# KiCad board mixed_signal_board.kicad_pcb (continued)
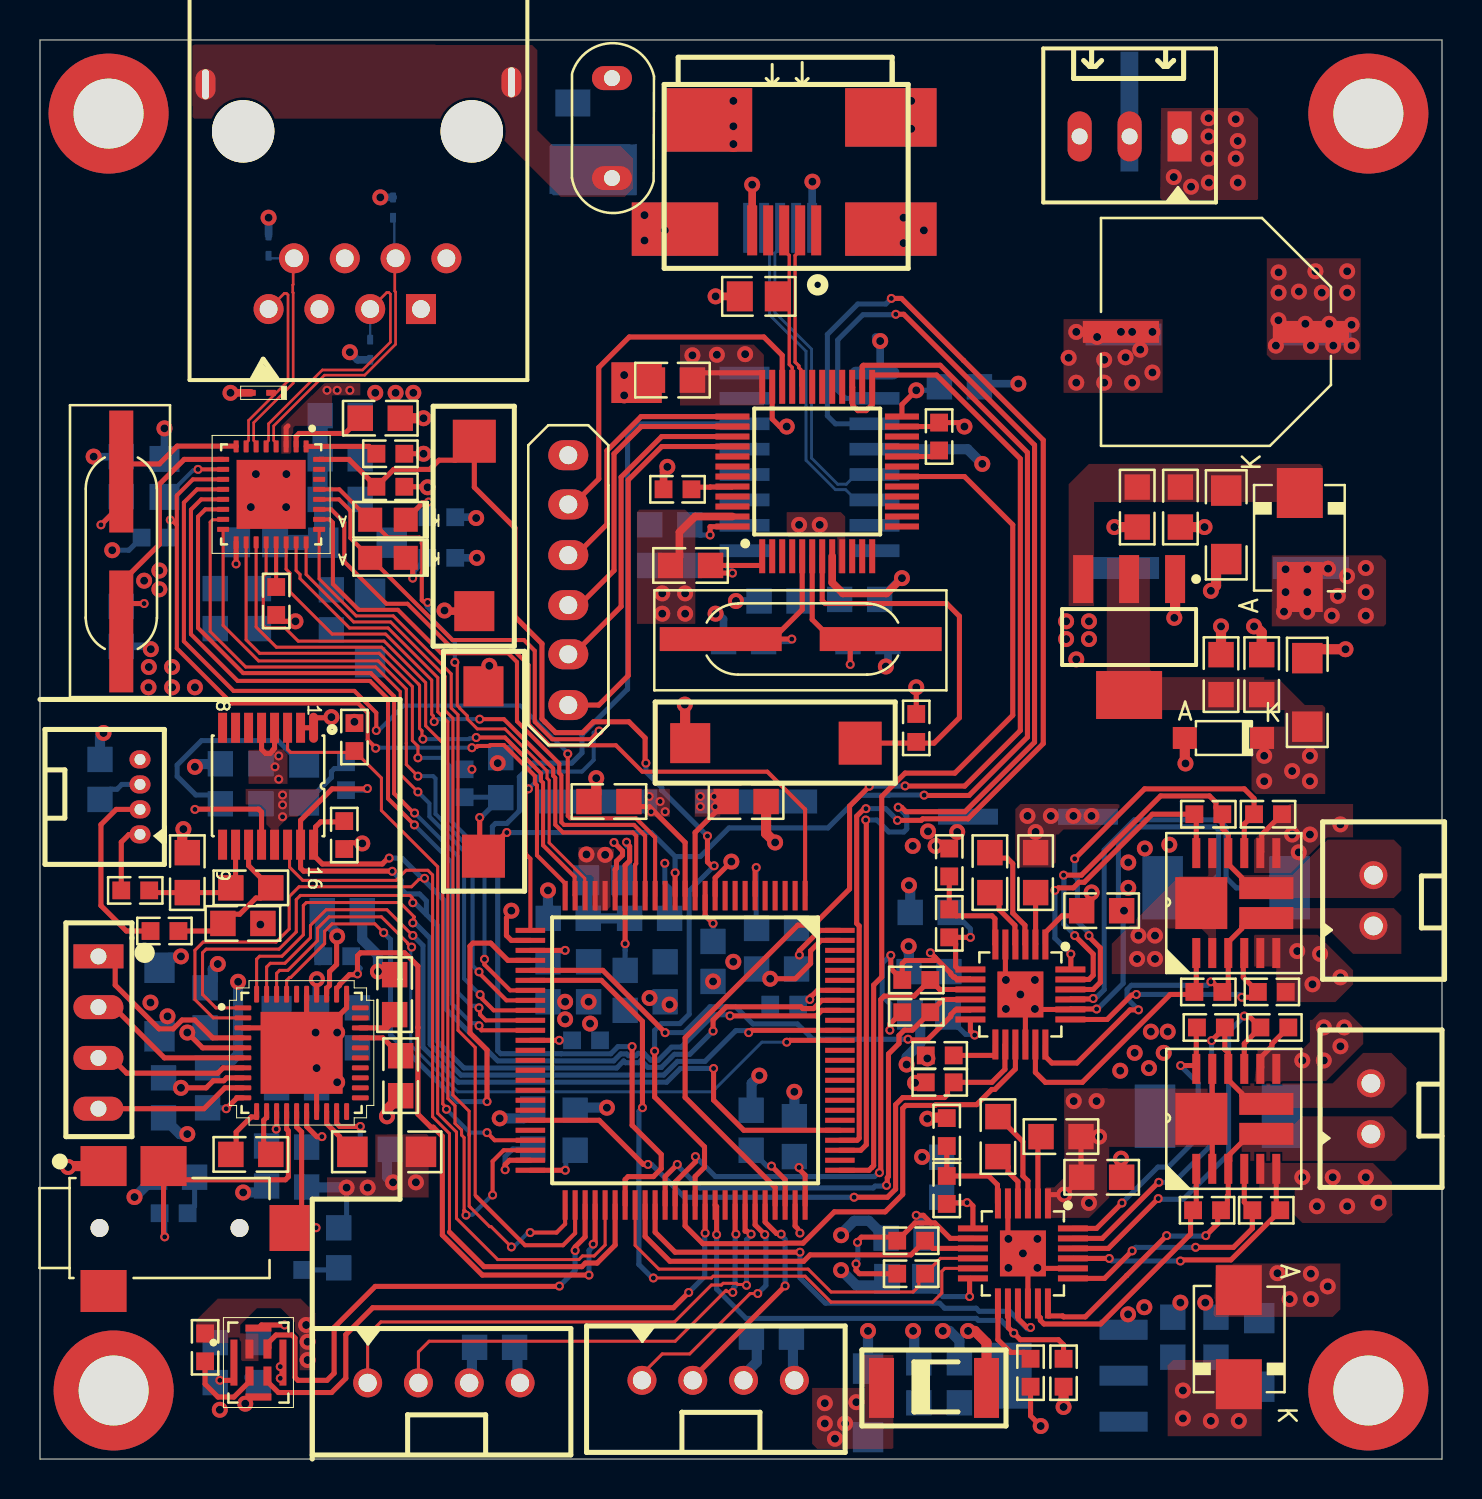
[diagram p0: board, top side]
## Nets (continued)
RX_D2: U2.14 U8.35
RX_D3: U2.13 U8.36
RX_DV: U2.18 U8.32
RX_ER: U2.20 U8.47
SCL: R25.1 U5.16 U6.2 U8.92
SCLK: U6.38 U8.89
SDA: R26.1 U5.15 U6.1 U8.93
SDIN: U6.39 U8.80
SH1: J4.1 Q1.3 Q1.13 R15.2 U3.18
SH1_2: J10.1 Q2.3 Q2.13 R39.2 U9.18
SH2: J4.2 Q1.10 Q1.14 R16.1 U3.23
SH2_2: J10.2 Q2.10 Q2.14 R40.1 U9.23
SNSOUT: R23.1 U3.10 U8.61
SNSOUT_2: R46.1 U8.58 U9.10
SO: U3.11 U8.30
SO_2: U8.31 U9.11
SP: Q1.5 Q1.6 Q1.7 Q1.8 R17.2 R18.2 R19.2 U3.21
SP_2: Q2.5 Q2.6 Q2.7 Q2.8 R41.2 R42.2 R43.2 U9.21
TD_N: D2.K J3.2 U2.6
TD_P: D1.K J3.1 U2.7
TX_CLK: U2.22 U8.18
TX_D0: U2.24 U8.51
TX_D1: U2.25 U8.52
TX_D2: U2.26 U8.17
TX_D3: U2.27 U8.1
TX_EN: U2.23 U8.48
USBD_N: J1.2 U1.32
USBD_P: J1.3 R3.1 U1.33

Pads without a net: J1 1 4; J3 3 4 7 8; J5 1 4; J7 4; MH2 1; MH3 1; U1 2 3 4 10 11 12 13 14 15 16 17 19 21 22 28 29 30 31 41 42 43 45 46; U2 30 31; U4 7 8 9 10 11 12 13 15; U5 6 7 8 9; U6 20 21 22 23 24 25 26 29 30 36; U8 2 3 4 5 7 8 9 15 38 39 40 41 42 43 44 46 67 77 81 82 83 84 85 86 87 88 91 95 96 97 98

## Via types
v1: diameter 0.45, hole 0.25, Top Layer to Bottom Layer, 178 vias
v2: diameter 0.8, hole 0.4, Top Layer to Bottom Layer, 287 vias

## Routing (per net, layer and track width the routed paths; a pad name or vN(x,y) marks a point on that pad's centre or on a via; arc(x,y) is an arc through that point)
+1V8: length 2.3
  Top Layer w0.254: v2(13.84,24) 13.83,23.99 U6.34
  Bottom Layer w0.254: v2(13.84,24) 13.76,23.92 13.76,22.64 C37.2
  vias: v2(39.24,2.79) v2(39.24,1.78) v2(39.75,1.02) v2(40.26,1.78) v2(40.82,2.84)
+3V3: length 88.1
  Top Layer w0.254: U8.28 v1(26.26,25.45) ; R5.2 19.35,48.64 v2(19.38,48.62) ; v1(29.33,30.86) 29.33,30.81 29.48,30.65 29.48,29.93 29.26,29.7 v1(29.26,25.78) ; v1(33.51,46.23) 33.51,46.64 33.51,46.65 34.62,46.65 U1.48 ; v2(7.37,21.34) 8.13,20.57 U6.5 ; U8.6 35.76,29.48 35.81,29.54 v1(35.81,29.59) ; v1(37.95,14.59) 37.95,14.51 38.26,14.2 U8.75 ; R2.2 v2(43.81,38.61) ; U8.11 33.26,27.19 v1(33.66,26.8) ; R25.2 15.53,30.83 16.08,30.83 v2(16.11,30.8) ; U6.8 9.33,19.07 9.19,18.92 8.66,18.92 8.31,18.57 v2(7.05,18.57) ; C4.2 32.99,54.34 36.09,54.34 36.11,54.32 U1.36 ; U8.100 38.99,26.45 37.97,25.43 v1(37.97,25.22) ; 15.06,26.35 14.83,26.12 14.83,24.74 14.48,24.38 14.48,23.69 14.33,23.55 U6.33 ; v2(50.04,1.65) 49.53,2.16 R45.1 ; U8.50 v1(26.27,14.45) ; v1(34.62,44.32) 33.91,44.32 C3.2 36.09,44.7 36.11,44.73 U1.1 ; R9.2 v2(19.18,50.29) ; v1(9.8,44.78) 9.81,44.78 U2.17 ; v2(43.81,53.47) 43.1,52.75 U1.24 ; R8.2 12.13,41.91 v2(12.77,41.91) 12.81,41.88
  Top Layer w0.381: v2(33.78,58.17) R3.2
  Bottom Layer w0.254: v2(7.05,18.57) 6.68,18.57 C44.2 ; C63.2 29.26,25.45 v1(29.26,25.78) ; C9.2 44.97,53.48 44.96,53.47 v2(43.81,53.47) ; v1(35.81,29.59) 35.81,27.05 35.83,27.05 C71.2 ; v1(33.51,46.23) 33,46.23 C1.2 ; FB2.1 13.31,32.83 14.57,34.1 14.57,34.4 14.72,34.54 14.99,34.54 R26.2 ; v1(37.97,25.22) 37.97,24.65 C59.2 ; C31.2 3.51,33.51 3.85,33.51 4.09,33.75 J6.3 ; C60.2 37.95,14.89 v1(37.95,14.59) ; FB4.1 29.48,29.23 29.48,30.55 29.33,30.7 v1(29.33,30.86) ; C62.2 25.46,24.88 25.53,24.95 25.53,25 25.91,25.38 25.96,25.38 25.98,25.4 26.21,25.4 v1(26.26,25.45) ; C4.2 32.98,54.33 U4.16 ; v1(26.27,14.45) 26.29,14.47 26.29,14.98 C61.2 ; C2.2 34.29,44.7 34.62,44.37 v1(34.62,44.32) ; C64.2 v1(33.66,26.8) ; R10.1 4.44,45.47 v2(3.61,45.47)
  Bottom Layer w0.508: J9.3 35.18,4.19 35.84,4.85 35.84,5.83 C55.2 ; 14.11,27.05 14.86,26.3 v2(14.86,26.14) ; J8.3 21.6,3.94 21.6,5.45 C54.2 ; 13.99,26.67 13.99,25.27 13.97,25.26 13.97,24.96 ; U4.4 46.38,50.52 v2(47.12,49.78)
  vias: v1(12.13,33.22) v1(12.13,32.73) v1(12.13,32.13) v1(21.6,34.51) v2(5.21,43.94) v2(5.52,22.83) v2(5.97,44.45) v2(5.97,43.51) v2(6.38,22.15) v2(13.31,6.71) v2(13.38,5.87) v2(13.38,4.95) v2(15.72,36.88) v2(32.62,55.22) v2(33.85,55.25) v2(35.26,55.27) v2(37.96,46.74) v2(38.99,46.74) v2(44.37,20.04) v2(61.21,35.18) v2(61.21,33.91) v2(62.61,34.42) v2(63.5,35.18) v2(63.5,33.91)
+12V: length 14
  Top Layer w0.254: Q2.2 58.62,16.47 Q2.15 58.62,17.57 Q2.11 ; C73.2 52.05,14.13 C75.2 v2(51.22,13.23) 50.42,13.23 50.42,13.23 50.42,12.95 50.4,12.93 U9.1 ; U3.1 50.27,26.34 51.11,27.18 51.83,27.18 52.58,27.93 v2(52.58,28.34)
  vias: v2(49.38,32.17) v2(49.78,31.37) v2(50.55,32.17) v2(51.67,32.17) v2(51.69,17.91) v2(52.45,12.81) v2(52.58,32.17) v2(52.83,17.91) v2(52.96,16.13) v2(54.86,25.02) v2(54.93,26.19) v2(55.75,26.19) v2(55.75,25.02) v2(56.69,64.14) v2(57.56,63.65) v2(58.43,67.08) v2(58.43,66.17) v2(58.43,65.06) v2(58.45,63.86) v2(59.79,67.03) v2(59.79,65.06) v2(59.89,65.94) v2(59.89,63.86) v2(61.8,55.7) v2(61.87,9.3) v2(61.93,59.37) v2(61.93,58.35) v2(61.93,56.97) v2(62.28,44.51) v2(62.28,43.37) v2(62.2,42.39) v2(62.48,8) v2(62.95,58.41) v2(63.27,56.79) v2(63.37,44.51) v2(63.37,43.37) v2(63.37,42.39) v2(63.55,55.7) v2(63.55,9.27) v2(63.55,8) v2(63.77,59.42) v2(64.09,58.35) v2(64.39,8.64) v2(64.47,56.79) v2(64.41,44.54) v2(64.59,42.19) v2(64.67,55.7) v2(64.9,43.18) v2(65.36,59.42) v2(65.36,58.35) v2(65.35,44.17) v2(65.58,56.74) v2(65.58,55.7) v2(66.29,44.58) v2(66.29,43.37) v2(66.29,42.19)
DVDD: length 13.1
  Top Layer w0.254: v1(42.49,21.46) 42.49,21.76 42.92,22.18 42.94,22.17 ; U3.8 46.5,24.01 45.83,24.01 45.73,24.11 45.68,24.11 45.54,24.25 45.54,24.3 44.75,25.1 ; v1(44.52,25.33) 44.75,25.1 ; 44.75,25.1 44.75,24.94 43.27,24.94 43.12,24.79 R24.2 42.54,24.54 v1(42.54,25.2)
  Bottom Layer w0.254: v1(42.49,21.46) 42.49,22.78 42.11,23.16 42.11,24.79 42.52,25.2 v1(42.54,25.2) ; v1(44.52,25.33) 44.52,25.31 C27.2
DVDD_2: length 12.3
  Top Layer w0.254: 40.84,10.82 40.84,10.87 41.07,11.1 42.68,11.1 R47.2 ; 44.55,11.81 44.74,11.81 45.52,11.04 U9.8 ; 44.55,11.81 44.17,12.19 v1(43.81,12.19) ; 44.55,11.81 43.75,11.81 42.99,11.05 ; v1(40.8,9.76) 40.8,9.44 40.97,9.27 R46.2
  Bottom Layer w0.254: v1(40.8,9.76) 40.8,9.89 40.89,9.98 40.89,10.82 v1(40.88,10.84) ; C77.2 44.09,11.27 44.09,11.92 v1(43.81,12.19)
GND: length 205
  Top Layer w0.254: U9.16 49.4,10.04 ; 49.4,10.04 v2(49.15,10.29) 48.9,10.54 48.42,10.54 ; 49.4,10.04 v2(49.87,9.56) 49.9,9.54 U9.20 ; U6.17 13.83,19.57 U6.41 15.33,22.57 U6.31 ; v2(48.42,11.01) 48.4,11.04 U9.5 ; v1(12.23,6.71) 11.08,6.71 U7.5 ; v2(46.22,51.65) 46.22,51.7 46.08,51.85 R4.1 44.76,51.65 U1.23 ; v1(8.99,3.94) 9.65,3.94 9.7,3.99 U7.5 ; U5.4 11.73,35.56 11.65,35.48 11.65,35.44 11.5,35.29 11.29,35.29 11.08,35.5 U5.5 ; U8.10 33.76,29.08 v2(34.57,29.89) ; 14.6,37.08 13.77,37.08 13.68,36.99 U5.1 U5.2 ; 23.51,27.43 23.51,27.26 23.32,27.07 23.32,26.19 23.57,25.95 U8.27 ; 49.27,22.99 v2(49.02,23.24) v2(48.3,23.97) 48.27,23.99 U3.5 ; 49.27,22.99 v2(49.75,22.52) 49.77,22.49 U3.20 51.55,22.52 52.83,22.52 v1(52.83,22.51) ; 49.27,22.99 U3.16 ; U8.20 28.76,29.49 28.82,29.56 28.82,29.91 29.13,30.21 29.13,30.42 v1(28.7,30.84) ; U6.3 11.83,21.57 ; v2(37.34,51.65) 36.99,51.65 36.61,52.03 U1.35 ; 13.33,21.34 U6.35 ; 37.88,11.54 37.76,11.66 U8.74 ; v2(36.51,24.03) 37.77,24.03 38.53,24.79 38.53,25.43 39.05,25.95 U8.99
  Top Layer w0.381: J1.5 v2(35.61,63.75) ; SW2.1 20.26,42.42 20.19,42.48 ; U1.47 32.76,47.15 31.97,46.37 31.97,45.15 C3.1 ; v2(43.1,44.07) 42.34,43.31 40.15,43.31 39.61,43.84 U1.8 ; R1.1 31.18,49.45 v2(31.37,49.64) ; v2(9.53,53.34) D1.A
  Top Layer w0.508: SW1.1 32.26,36.07 32.26,37.72 ; C78.1 v2(59.06,41.66) ; C79.1 61.09,41.36 60.79,41.66 v2(60.71,41.66) ; 54.1,15.11 54.02,15.03 54.02,14.17 C75.1 ; v2(44.37,17.03) 44.43,17.08 45.21,17.08 45.34,17.21 ; v2(36.76,30.84) 36.31,31.3 C56.2 ; v2(27.81,34.06) 27.81,33.26 C58.2 ; R22.1 44.28,18.83 43.77,18.83 v2(43.75,18.82) ; 1.4,14.66 J7.1 ; C10.1 v2(19.18,52.07) ; D8.A 47.33,5.82 46.74,6.41 v2(46.41,6.41) ; SW3.1 22.47,38.95 v2(22.47,39.68) ; C83.1 63.81,40.51 65.15,40.51 ; 51.18,2.54 R48.1 ; v2(17.35,17.15) 17.35,17.49 C48.2 ; v2(16.9,24.39) 16.95,24.33 17.96,24.33 18.03,24.26 ; v2(53.72,46.63) C86.1 ; U10.1 56.76,42.05 56.77,42.04 ; v2(58.55,43.43) 58.81,43.69 58.81,44.51 C84.1 ; 11.83,21.57 U6.41 ; 7.11,31.5 7.11,30.59 C33.1 ; D6.A 57.24,34.99 57.28,34.96 57.28,34.92 ; C85.1 v2(58.23,46.63)
  Bottom Layer w0.254: C14.1 16,52.2 15.88,52.32 ; R19.1 58.29,28.58 58.93,29.21 58.93,31.47 58.78,31.62 54.86,31.62 53.93,30.69 53.93,27.43 ; 35.59,17.42 35.56,17.45 C65.1 ; C35.2 15.33,11.96 v2(15.33,13.58) ; C68.1 31.48,28.56 31.24,28.8 v1(31.24,29.81) ; v1(52.83,22.51) 52.84,22.52 52.89,22.52 54.16,23.79 54.16,27.39 v2(54.2,27.43)
  Bottom Layer w0.381: R7.1 21.84,47.12 ; R6.1 v2(21.84,45.09) ; 42.29,39.62 42.4,39.73 C6.1 ; D3.A 15.88,54.99 v2(15.49,55.37) ; v2(48.92,53.8) 47.13,53.8 C9.1 ; 5.54,40.51 5.4,40.66 C20.1 ; R11.1 v2(6.22,51.56) ; D2.A v2(11.43,62.1) ; C8.1 43.05,44.07 v2(43.1,44.07) ; 41.78,56.13 41.99,55.93 v2(42.01,55.93) 42.01,54.61 U4.1 ; v2(17.02,63.12) 17.65,63.12 D4.A ; v2(34.8,42.93) C7.1 ; C15.1 v2(2.68,50.15) 2.67,50.17 ; v2(33.78,42.29) 33.91,42.29 34.18,42.02 C5.1 ; 38.61,63.88 38.61,63.88 J5.5
  Bottom Layer w0.508: v2(7.37,16.26) 6.99,16.26 C44.1 ; C51.2 17.35,15.33 17.35,14.1 ; v2(9.91,23.88) 9.91,20.25 9.61,19.95 8.76,19.95 C43.1 ; J8.4 23.87,3.95 23.87,5.45 C54.1 ; v2(7.75,34.63) 7.89,34.77 9,34.77 C30.1 ; 13.33,13.58 13.34,13.58 ; 13.34,13.58 C40.1 ; 13.34,13.58 13.34,13.59 15.32,13.59 v2(15.33,13.58) ; C55.1 37.65,6.02 37.65,4.52 ; C87.1 45.97,5.92 45.48,6.41 v2(45.15,6.41) ; 40.06,11.27 40.71,11.92 41.44,11.92 C77.1 ; C47.1 16.11,25.99 16.9,25.21 v2(16.9,24.39) ; v2(28.35,17.58) 27.14,17.58 27.1,17.54 27.1,17.48 27.07,17.45 C61.1 26.69,17.51 ; C60.1 v2(37.72,18.37) ; C45.1 6.48,25.08 6.92,25.08 6.98,25.15 v2(7.05,25.15) ; 37.72,4.52 37.72,4.08 37.65,4.01 J9.4 ; v2(43.66,6.41) 43.71,6.35 43.71,5.04 C88.1 ; C39.2 4.84,13.21 4.83,13.21 v2(4.72,13.11) ; v2(22.99,17.04) 24.17,17.04 C66.1 ; v2(44.11,15.11) 44.12,15.1 45.08,15.1 C76.1 ; R20.1 43.5,22.13 44.01,21.61 44.01,20.79 43.33,20.11 v2(43.33,19.74) ; v2(3.17,36.32) 3,36.15 C31.1 ; v2(25.4,28.45) 25.4,27.07 C67.1 ; C41.1 11.33,13.58 11.09,13.34 v2(10.16,13.34) ; C89.1 41.4,4.53 v2(41.4,6.41) ; v2(43.45,28.7) 43.51,28.64 C26.1 ; v2(35.97,19.18) 35.59,18.8 35.59,17.42 ; v2(43.43,25.65) 43.43,25.33 43.45,25.31 C27.1 ; R44.1 42.03,8.69 40.82,8.69 v2(40.06,9.45) ; 10.46,4.09 10.66,4.09 C53.1 ; C46.1 8.64,23.95 8.64,24.51 v2(8.89,24.77)
  vias: v1(11.75,34.63) v1(11.94,35.18) v1(11.94,34.01) v1(12.01,4.62) v1(12.01,4.04) v1(38,11.31) v2(1.41,14.61) v2(5.44,39.62) v2(5.43,38.61) v2(5.54,40.51) v2(6.6,39.62) v2(6.6,38.61) v2(7.17,31.51) v2(7.75,38.61) v2(8.99,2.46) v2(10.26,2.77) v2(10.54,47.62) v2(10.8,49.28) v2(11.02,26.74) v2(12.32,49.28) v2(12.31,47.62) v2(13.78,21.34) v2(13.83,19.56) v2(14.57,37.12) v2(14.86,21.34) v2(14.86,18.85) v2(16.38,13.58) v2(16.76,53.34) v2(17.65,13.84) v2(17.78,53.34) v2(18.67,53.34) v2(18.8,13.84) v2(20.23,42.45) v2(21.81,47.08) v2(22.89,34.81) v2(23.57,27.43) v2(26.26,22.88) v2(26.26,22) v2(27.43,22.88) v2(27.5,21.78) v2(29.21,54.23) v2(29.21,53.21) v2(30.23,62.23) v2(30.23,60.96) v2(30.48,23.06) v2(31.12,43.31) v2(31.12,42.29) v2(31.24,61.47) v2(31.48,22.73) v2(32.26,43.31) v2(32.26,42.29) v2(32.24,37.74) v2(33.66,23.89) v2(34.67,67.95) v2(34.67,66.67) v2(34.67,65.79) v2(34.67,24.88) v2(38.62,63.9) v2(40.06,11.2) v2(42.29,39.65) v2(43.18,62.1) v2(43.18,60.83) v2(43.56,67.95) v2(43.56,66.55) v2(43.64,30.67) v2(44.2,61.47) v2(44.4,31.4) v2(44.78,30.67) v2(45.86,31.37) v2(48.3,22.52) v2(48.42,9.56) v2(49.75,23.97) v2(49.87,11.01) v2(51.18,2.6) v2(51.31,41.91) v2(51.31,41.02) v2(51.44,55.09) v2(51.82,56.39) v2(51.82,53.85) v2(51.82,40.01) v2(52.45,41.91) v2(52.45,41.02) v2(52.86,56.13) v2(53.21,54.99) v2(53.21,53.85) v2(54.05,56.39) v2(54.02,19.43) v2(54.05,15.03) v2(54.28,55.12) v2(54.42,29.84) v2(54.42,28.58) v2(54.41,7.24) v2(54.61,56.39) v2(54.61,53.85) v2(54.74,20.32) v2(55.02,55.5) v2(55.25,30.54) v2(55.22,7.59) v2(55.45,19.56) v2(55.55,21.38) v2(55.63,56.39) v2(55.63,54.36) v2(56.19,20.32) v2(56.39,21.38) v2(56.47,30.73) v2(56.72,42.08) v2(57.02,7.82) v2(57.28,34.8) v2(58.27,7.82) v2(65.28,40.51)
AIN0: length 9.3
  Top Layer w0.254: J6.2 3.81,32.5 3.05,31.74 3.05,27.69 4.32,26.42 R28.2
AIN1: length 3.5
  Top Layer w0.254: R29.2 4.06,30.86 4.44,31.24 4.99,31.24 J6.1
CAN_RX: length 12.6
  Top Layer w0.152: v1(35.89,8.28) 35.51,8.28 32.49,5.26 31.12,5.26 30.1,4.24 J9.1
  Top Layer w0.254: U8.70 35.76,11.71 v1(36.24,11.23)
  Bottom Layer w0.254: v1(35.89,8.28) 36.3,8.69 36.3,11.17 v1(36.24,11.23)
CAN_TX: length 11.2
  Top Layer w0.254: J9.2 32.64,4.04 v1(37.26,8.66) ; v1(37.06,11.25) 37.02,11.29 36.82,11.29 36.26,11.85 U8.71
  Bottom Layer w0.254: v1(37.06,11.25) 37.06,11.2 37.26,11 v1(37.26,8.66)
CH340_RST: length 58.3
  Top Layer w0.254: v1(29.61,20.63) 29.61,16.7 31.06,15.24 31.06,14.52 30.67,14.13 29.41,14.13 29.26,13.98 U8.57
  Bottom Layer w0.254: U4.14 29.82,51.79 29.38,51.35 29.38,38.51 29.36,38.51 27.1,36.25 27.1,35.33 26.58,34.81 24.66,34.81 23.97,34.12 23.97,32.42 23.34,31.8 22.77,31.8 22.62,31.64 22.62,30.11 22.89,29.84 22.89,20.43 23.03,20.28 26.06,20.28 26.07,20.27 28.54,20.27 28.9,20.63 29.53,20.63 29.57,20.6
CH340_RXD: length 64.7
  Top Layer w0.254: U8.79 40.86,15.95 40.96,16.05 40.96,26.67 40.84,26.8 40.84,32.16 41.21,32.54 v1(41.3,32.54) ; v1(42.57,58.06) 43.08,58.06 46.18,54.96 50.16,50.98 50.16,35.79 46.4,32.03 44.14,32.03 44.07,31.95 v1(42.88,31.95)
  Bottom Layer w0.254: U4.3 41.73,51.79 39.77,51.79 39.37,52.19 39.37,56.26 40.89,57.78 42.29,57.78 42.54,58.04 ; v1(42.88,31.95) 42.29,32.54 v1(41.3,32.54)
CH340_TXDPort: length 62.9
  Top Layer w0.254: U8.78 41.04,15.45 41.32,15.72 41.32,31.94 v1(41.29,31.97) ; v1(42.91,32.6) 43.08,32.6 43.3,32.39 46.25,32.39 49.73,35.86 49.73,50.73 43.19,57.27 v1(42.79,57.27)
  Bottom Layer w0.254: 42.8,57.28 v1(42.79,57.27) 42.77,57.25 41.15,57.25 39.89,55.98 39.89,53.46 40.28,53.06 U4.2 ; 42.9,32.73 43.2,32.44 43.03,32.6 v1(42.91,32.6) 43.27,32.24 43.27,32.22 43.34,32.16 43.34,31.52 43.19,31.37 42.44,31.37 41.84,31.97 v1(41.29,31.97)
CH340USB_D_N: length 16.7
  Bottom Layer w0.146: U4.6 40.8,47.98 40.28,48.5 39.77,48.5 38.31,49.96 38.31,55.42 36.48,57.25 36.48,60.33 36.39,60.42 36.39,60.42 36.21,60.59 J5.2
CH340USB_D_P: length 16.3
  Bottom Layer w0.146: U4.5 40.8,49.25 40.32,48.77 39.89,48.77 38.58,50.08 38.58,55.53 36.75,57.36 36.75,60.33 36.83,60.42 36.83,60.42 37.01,60.59 J5.3
CLK_MIC: length 29.6
  Top Layer w0.254: v1(33.26,11.31) U8.65 ; v1(32.44,8.33) 31.67,7.57 16.64,7.57 15.29,6.22 15.29,4.04 14.58,3.33 11.92,3.33 11.37,3.88 U7.3
  Bottom Layer w0.254: v1(33.26,11.31) 33.24,11.28 33.24,9.13 v1(32.44,8.33)
COL: length 34.9
  Top Layer w0.203: U2.28 14.95,48.01 15.52,47.44 15.52,46.08 20.62,40.97 24.2,40.97 24.74,40.44 24.74,36.88 25.61,36.01 27.54,36.01 v1(27.95,36.42) ; U8.26 24.52,30.03 24.28,30.27 24.28,33.41 24.4,33.53 v1(24.42,33.53)
  Bottom Layer w0.203: v1(27.95,36.42) 27.89,36.42 27.81,36.34 27.69,36.34 27.69,34.98 27.1,34.39 25.17,34.39 24.83,34.04 24.83,33.93 24.43,33.53 24.42,33.53 v1(24.42,33.53)
CRS: length 28.3
  Top Layer w0.152: v1(20.74,39.86) 20.75,39.86 20.86,39.74 20.86,37.7 20.97,37.6 20.97,37.57 21.37,37.18 21.37,37.03 21.87,36.53 23.25,36.53 25.35,34.42 25.35,34.06 25.46,33.96 25.46,30.83 27.24,29.05 27.24,28.21 U8.23
  Top Layer w0.203: U2.29 14.97,48.51 15.99,47.49 16.01,47.49 17.4,46.1 18.97,46.1 19.09,45.98 19.09,45.81 19.12,45.78 19.12,44.39 19.09,44.36 19.09,42.97 19.16,42.9 19.34,42.9 v1(19.38,42.85)
  Bottom Layer w0.203: v1(20.74,39.86) 20.74,40.88 19.62,42 19.62,42.35 19.34,42.64 19.34,42.81 v1(19.38,42.85)
DOUT_MIC: length 25
  Top Layer w0.254: U8.53 27.26,11.11 26.76,10.61 v1(26.76,10.43) ; v1(25.97,8.65) 25.95,8.65 25.93,8.64 16.76,8.64 14.71,6.58 14.71,4.29 14.35,3.94 12.9,3.94 12.75,4.09 12.75,6.05 12.6,6.2 11.8,6.2 11.44,5.85 11.44,5.57 U7.4
  Bottom Layer w0.254: v1(26.76,10.43) 26.76,9.44 v1(25.97,8.65)
DRDY: length 38.6
  Top Layer w0.152: U5.14 12.48,30.64 12.48,29.61 13.14,28.95 17.8,28.95 18.31,29.45 19.39,29.45 19.63,29.22 19.63,17.13 20.47,16.28 20.47,11.35
  Top Layer w0.254: U8.56 28.76,10.7 27.86,9.8 27.27,9.8 27.09,9.62 22.2,9.62 20.47,11.35
EN: length 31.9
  Top Layer w0.254: v1(30.4,14.74) 30.17,14.74 27.96,16.95 U8.45 ; v1(40.71,13.1) 42.38,13.1 42.78,13.5 42.78,17.73 43.14,18.08 44.65,18.08 44.65,18.08 45.23,18.08 45.38,18.23 45.38,18.53 R22.2 47.6,18.84 48.25,19.5 48.25,20.71 U3.14
  Bottom Layer w0.254: v1(40.71,13.1) 32.22,13.1 30.58,14.74 v1(30.4,14.74)
EN_2: length 25
  Top Layer w0.254: U8.66 33.83,12.63 v1(33.83,11.23) ; U9.14 48.42,7.76 48.42,6.57 49.02,5.97 50.93,5.97 51.18,5.72 R48.2
  Bottom Layer w0.254: v1(33.83,11.23) 33.83,8.5 35.3,7.04 46.82,7.04 46.92,6.94 48.06,6.94 v1(48.69,6.3)
EXT_UART_RX: length 26.8
  Top Layer w0.152: v1(35.33,8.69) 35.29,8.73 34.88,8.73 34.82,8.79 34.16,8.79 34.07,8.7 33.57,8.7 31.73,6.86 17.04,6.86 16.38,6.2 J8.1
  Top Layer w0.254: v1(35.56,11.25) 35.5,11.25 35.36,11.4 35.26,11.4 U8.69
  Bottom Layer w0.254: v1(35.33,8.69) 35.33,10.97 35.56,11.2 v1(35.56,11.25)
EXT_UART_TX: length 23
  Top Layer w0.152: v1(34.64,8.34) 34.64,8.34 34.6,8.38 34.37,8.38 34.31,8.44 31.76,5.89 19.46,5.89 18.92,5.36 J8.2
  Top Layer w0.254: U8.68 34.76,11.34 34.8,11.3 v1(34.8,11.25)
  Bottom Layer w0.254: v1(34.8,11.25) 34.76,11.21 34.76,10.86 34.76,10.86 34.76,8.64 34.68,8.56 34.68,8.38 v1(34.64,8.34)
GH1: length 13.4
  Top Layer w0.254: U3.17 49.77,19.34 50.27,18.84 52.12,18.84 56.51,23.24 57.59,23.24 57.82,23.46 Q1.1
GH1_2: length 13.7
  Top Layer w0.254: Q2.1 57.82,12.61 57.53,12.32 57.53,11.25 53.04,6.76 50.2,6.76 50.02,6.94 50.02,7.06 49.9,7.18 U9.17
GH2: length 14.8
  Top Layer w0.254: U3.24 51.54,24.51 v1(51.54,25.26) ; v1(50.75,28.45) 50.8,28.45 50.93,28.58 51.67,28.58 51.95,28.85 52.22,28.85 55.62,32.26 R16.2 57.82,32.16 Q1.12
  Bottom Layer w0.254: v1(51.54,25.26) 50.75,26.06 v1(50.75,28.45)
GH2_2: length 15
  Top Layer w0.254: 57.82,19.61 57.74,19.69 v1(57.04,19.69) ; 57.82,19.61 Q2.12 ; 57.82,19.61 57.82,21.56 R40.2 ; v1(54.1,12.81) 52.83,11.54 U9.24
  Bottom Layer w0.254: v1(54.1,12.81) 55.9,14.61 56.41,14.61 57.91,16.1 57.91,18.8 57.04,19.67 v1(57.04,19.69)
GL1: length 12.3
  Top Layer w0.254: Q1.4 60.17,25.26 60.17,24.1 R17.1 60.63,23.1 v1(60.09,23.1) ; U3.19 53.36,21.99 54.57,23.2 54.78,23.2 v1(54.82,23.24)
  Bottom Layer w0.254: v1(60.09,23.1) 59.95,23.24 v1(54.82,23.24)
GL1_2: length 13.2
  Top Layer w0.254: Q2.4 60.22,12.85 R41.1 60.62,11.53 59.68,10.59 v1(57.78,10.59) ; U9.19 53.23,9.04 v1(54.61,10.41)
  Bottom Layer w0.254: v1(54.61,10.41) 54.79,10.59 v1(57.78,10.59)
GL2: length 21.9
  Top Layer w0.254: U3.22 52.66,23.49 53.02,23.85 53.02,25.57 52.45,26.13 v1(52.45,26.19) ; v1(51.74,30.03) 55.23,33.53 60.22,33.53 60.71,33.04 R18.1 60.22,31.77 Q1.9
  Bottom Layer w0.254: v1(52.45,26.19) 52.45,26.31 51.88,26.89 51.88,29.02 51.74,29.15 v1(51.74,30.03)
GL2_2: length 20.4
  Top Layer w0.254: v1(60.22,22.16) 60.25,22.12 60.49,22.12 R42.1 60.22,20.78 Q2.9 ; U9.22 53.42,10.54 v1(55.91,13.03)
  Bottom Layer w0.254: v1(55.91,13.03) 55.95,12.99 57.16,12.99 59.44,15.27 59.44,21.38 v1(60.22,22.16)
INT: length 2.2
  Top Layer w0.203: U2.21 11.81,43.63 R8.1
JTCK/SWCLK_F103: length 13.2
  Top Layer w0.254: U1.37 30.06,52.15 28.35,50.44 28.35,46.76 26.8,45.22 J2.4
JTCLK_F407: length 44.7
  Top Layer w0.254: U8.76 41.46,14.45 41.6,14.6 41.6,14.6 41.69,14.68 41.69,23.71 42.09,24.11 42.09,33.15 43.26,34.32 45.75,34.32 48.64,37.21 48.64,46.74 46.22,49.15 U1.18
JTDI_F103: length 15.3
  Top Layer w0.254: U1.38 30.06,51.65 28.7,50.29 28.7,44.45 26.97,42.72 J2.3
JTDO_F103: length 16.5
  Top Layer w0.254: U1.39 31.08,51.15 29.06,49.13 29.06,42.65 26.67,40.26 J2.2
JTMS/SWDIO_F103: length 19.4
  Top Layer w0.254: J2.5 26.67,47.76 27.94,49.03 27.94,54.61 29.46,56.13 36.19,56.13 37.11,55.22 U1.34
JTMS_F407: length 62.1
  Top Layer w0.254: U8.72 36.76,13.59 32.26,18.09 32.26,21.07 37.9,26.71 38.67,26.71 40.48,28.52 40.48,32.66 41.47,33.65 v1(41.47,33.66) ; v1(43.26,33.67) 43.27,33.67 46.24,33.67 49.02,36.45 49.02,50.04 44.83,54.23 41.63,54.23 41.61,54.21 U1.25 41.61,52.75 41.31,52.45 40.89,52.45 40.63,52.71 40.63,53.62 U1.27
  Bottom Layer w0.254: v1(43.26,33.67) 43.25,33.67 41.47,33.67 v1(41.47,33.66)
LRCK: length 40.9
  Top Layer w0.152: v1(18.64,26.82) 18.68,26.86 18.68,27.07 18.72,27.11 17.99,27.84 13.32,27.84 13.17,27.69 13.17,26.22 12.1,25.15 10.98,25.15 10.83,25.01 U6.40
  Top Layer w0.254: U8.90 35.55,21.45 v1(35.44,21.33)
  Bottom Layer w0.254: v1(35.44,21.33) 35.33,21.43 34.79,21.43 33.25,19.89 31.87,19.89 31.18,19.21 21.05,19.21 19.51,20.75 19.51,26.06 18.78,26.79 18.68,26.79 v1(18.64,26.82)
MCLK: length 30.3
  Top Layer w0.152: U6.37 12.33,23.94 12.48,24.09 12.54,24.09 14.23,25.79 14.23,26.4 14.6,26.77 16.75,26.77 v1(17.19,26.33)
  Top Layer w0.254: v1(22.35,17.88) 22.35,20.46 21.5,21.32 21.5,25.66 21.65,25.81 22.54,25.81 23.4,24.95 U8.29
  Bottom Layer w0.254: v1(17.19,26.33) 17.53,25.99 17.53,21.22 20.87,17.88 v1(22.35,17.88)
MDC: length 43.1
  Top Layer w0.203: U8.16 30.76,31.1 29.8,32.05 26.51,32.05 26.39,32.17 v1(26.39,35.28) ; U2.12 7.85,48.51 7.19,47.85 7.19,40.91 9.68,38.43 15.72,38.43 16.81,37.33 v1(16.81,36.45)
  Bottom Layer w0.203: v1(16.81,36.45) 16.94,36.45 18.18,37.69 24.02,37.69 26.38,35.33 26.38,35.29 v1(26.39,35.28)
MDIO: length 39.6
  Top Layer w0.203: 6.84,46.74 6.84,40.56 9.59,37.8 15.91,37.8 16.39,37.33 16.39,35.98 16.78,35.58 v1(16.78,35.56) ; 6.84,46.74 6.83,46.74 6.58,46.98 v1(6.51,46.98) ; 6.84,46.74 6.84,48.21 7.65,49.01 U2.11 ; U8.25 26.26,28.8 24.85,30.2 24.85,33.7 24.74,33.81 24.74,34.17 23.2,35.72 22.51,35.72 22.47,35.67 21.89,35.67 21.85,35.63 21.64,35.63 v1(21.6,35.59)
  Bottom Layer w0.203: 6.5,46.99 6.48,46.96 R10.2 ; 16.94,35.61 16.97,35.59 v1(21.6,35.59)
NetC5_2: length 9.8
  Top Layer w0.254: U1.5 38.11,42.49 36.64,41.02 ; 36.64,41.02 X1.2 ; 36.64,41.02 v1(37.59,41.02)
  Bottom Layer w0.254: C5.2 37.46,40.89 v1(37.59,41.02)
NetC6_2: length 8.1
  Top Layer w0.254: v1(40.51,39.75) 40.51,40.92 40.61,41.02 39.59,41.02 38.61,42 U1.6
  Bottom Layer w0.254: v1(40.51,39.75) 40.51,40.78 C6.2
NetC10_2: length 4.1
  Top Layer w0.254: C10.2 15.25,51.31 12.96,51.31 12.81,51.16 U2.2
NetC11_2: length 9.8
  Top Layer w0.254: U2.3 12.31,51.59 12.4,51.69
  Bottom Layer w0.762: 14.08,45.92 14.08,47.93 C12.2 C13.2 C14.2 ; 14.08,45.92 C11.2 ; 14.08,45.92 14.02,45.85 11.77,45.85 FB1.2
  vias: v1(14.35,53.47) v1(14.86,53.47) v1(15.49,53.47)
NetC15_2: length 11.2
  Top Layer w0.254: v1(3.05,46.74) 4.06,47.75 Y1.2 4.44,49.78 5.97,49.78 6.86,50.67 9.81,50.67 9.81,50.67 U2.8
  Bottom Layer w0.254: C15.2 3.61,47.7 3.61,47.3 v1(3.05,46.74)
NetC20_2: length 14.4
  Top Layer w0.254: 4.06,42.33 4.06,43.85 5.97,45.76 5.97,48.77 7.21,50.01 U2.9 ; 4.06,42.33 Y1.1 ; 4.06,42.33 4.54,42.8 v1(5.21,42.8)
  Bottom Layer w0.254: v1(5.21,42.8) 4.21,42.8 C20.2
NetC22_1: length 5.7
  Top Layer w0.254: C22.1 47.77,30.06 48.37,30.06 48.64,29.79 48.64,27.31 49.25,26.7 49.25,25.76 U3.3
NetC22_2: length 3.1
  Top Layer w0.254: C22.2 47.96,27.88 47.96,27.49 48.75,26.7 48.75,25.76 U3.4
NetC23_1: length 2.6
  Top Layer w0.254: U3.2 49.78,25.75 C23.1
NetC26_2: length 5.7
  Top Layer w0.254: U3.7 45.92,24.49 45.78,24.63 45.78,25.78 R13.2 v1(46.52,26.1)
  Bottom Layer w0.254: C26.2 45.51,27.61 45.53,27.63 45.53,27.52 46.52,26.53 v1(46.52,26.1)
NetC30_2: length 17.3
  Top Layer w0.254: U5.12 11.08,32.36 10.93,32.51 7.76,32.51 v1(7.75,32.5)
  Bottom Layer w0.254: v1(7.75,32.5) 8.73,32.5 C30.2 8.58,33.22 7.79,33.22 6.86,34.15 6.86,34.72 8.08,35.94 11.9,35.94 12.79,35.05 13.21,35.05 FB2.2
NetC32_1: length 6.5
  Top Layer w0.254: U5.10 9.78,28.81 C32.1 9.54,28.46 9.41,28.34 C33.2 5.57,28.34 R29.1
NetC32_2: length 8.3
  Top Layer w0.254: U5.11 10.43,29.69 C32.2 11.03,28.07 10.8,28.07 9.99,27.26 9.65,27.26 9.14,26.75 9.14,26.42 R28.1
NetC35_1: length 1.9
  Bottom Layer w0.254: R31.2 14.83,9.46 C35.1
NetC36_2: length 3.6
  Top Layer w0.254: v1(14.1,16.13) 13.84,16.13 13.33,16.64 U6.16 ; U6.13 11.83,16.53 v1(11.81,16.51)
  Bottom Layer w0.254: v1(14.1,16.13) 14.08,16.11 13.84,16.11 C40.2
NetC39_1: length 1.9
  Bottom Layer w0.254: C39.1 7.73,12.65 R30.2
NetC42_1: length 2.6
  Top Layer w0.254: U6.11 10.83,17.12 10.83,17.11 10.56,17.11 9.81,16.36 9.81,15.76 9.54,15.49
NetC42_2: length 2.2
  Top Layer w0.254: 11.54,15.49 11.44,15.49 11.18,15.75 11.18,16.95 11.33,17.09 U6.12
NetC43_2: length 2
  Top Layer w0.254: v1(9.31,17.53) 9.86,18.07 U6.10
  Bottom Layer w0.254: C43.2 9.27,17.57 v1(9.31,17.53)
NetC48_1: length 2.4
  Top Layer w0.254: C48.1 17.14,21.07 U6.27
NetC49_1: length 2.3
  Top Layer w0.254: 18.03,22.26 17.35,21.57 U6.28
NetC50_1: length 2.6
  Top Layer w0.254: C50.1 14.99,16 14.99,16.13 14.33,16.78 14.33,17.38 U6.18
NetC51_1: length 3.2
  Top Layer w0.254: v1(16.02,16.64) 14.99,16.64 14.83,16.79 14.83,17.38 U6.19
  Bottom Layer w0.254: C51.1 16.02,16 v1(16.02,16.64)
NetC56_1: length 5.3
  Top Layer w0.254: C56.1 32.76,31.34 U8.12
  vias: v1(33.02,33.15) v1(33.02,32.64) v1(33.71,33.15) v1(33.76,32.64)
NetC58_1: length 6.3
  Top Layer w0.254: U8.13 32.26,30.84 30.46,32.64 29.7,32.64 C58.1
  vias: v1(30.46,33.15) v1(30.56,32.39) v1(31.01,32.9) v1(31.26,32.39)
NetC65_2: length 3.6
  Top Layer w0.254: U8.73 37.26,13.97 v1(36.58,14.66)
  Bottom Layer w0.254: v1(36.58,14.66) 36.35,14.66 C65.2
NetC66_2: length 3.8
  Top Layer w0.254: U8.49 23.48,14.95 23.26,14.73 v1(23.26,14.47)
  Bottom Layer w0.254: v1(23.26,14.47) 23.26,15.13 23.64,15.51 C66.2
NetC67_2: length 4.3
  Bottom Layer w0.508: FB4.2 27.31,29.08 ; 27.31,29.08 27.36,29.03 27.36,27.1 C67.2 29.48,27.05 C68.2 ; 27.31,29.08 27.31,29.08
  vias: v2(27.33,30.25) v2(28.26,30.23)
NetC72_1: length 5
  Top Layer w0.254: U9.3 49.4,13.91 49.15,14.16 49.15,15.88 C72.1
NetC72_2: length 2.8
  Top Layer w0.254: U9.4 48.9,13.88 48.41,14.37 48.41,14.62 C72.2
NetC73_1: length 3.4
  Top Layer w0.254: U9.2 49.9,15.97 C73.1
NetC76_2: length 4.1
  Top Layer w0.254: R37.2 45.39,12.81 46.5,12.81 46.65,12.66 U9.7
  Bottom Layer w0.254: v1(46.35,12.83) 45.35,12.83 C76.2 44.97,13.21
NetC90_2:
  vias: v2(57.15,3.43) v2(57.15,2.03) v2(58.55,1.91) v2(59.94,1.91)
NetDS1_K: length 2.5
  Top Layer w0.254: v1(18.64,44.07) 18.64,44.74 DS1.K
  Bottom Layer w0.254: v1(18.64,44.07) 18.71,44.14 18.71,44.42 R6.2
NetDS2_K: length 2.3
  Top Layer w0.254: v1(19.43,47.88) 19.39,47.84 19.14,47.84 DS2.K
  Bottom Layer w0.254: R7.2 19.43,47.18 v1(19.43,47.88)
NetJ7_2: length 8.4
  Top Layer w0.254: 12.73,11.81 13.59,11.81 13.84,11.56 ; 12.73,11.81 J7.2 ; 12.73,11.81 13.08,12.16 13.08,16.36 12.83,16.61 U6.15
  Bottom Layer w0.254: v1(13.8,11.57) 13.8,11.56 R31.1
NetJ7_3: length 14.7
  Top Layer w0.254: U6.14 12.33,16.51 12.42,16.42 12.42,14.12 12.27,13.97 6.86,13.97 J7.3 6.18,11.14 6.21,11.11
  Bottom Layer w0.254: R30.1 6.24,12.04 v1(6.24,11.12)
NetR1_2: length 2.1
  Top Layer w0.254: U1.44 34.6,48.63 33.52,48.63 33.51,48.62 32.68,48.62 R1.2
NetR4_2: length 2
  Top Layer w0.254: U1.20 44.66,50.15 R4.2
NetR9_1: length 3.7
  Top Layer w0.254: R9.1 16.45,50.66 U2.1
NetR11_2: length 3.5
  Top Layer w0.203: v1(7.9,49.51) U2.10
  Bottom Layer w0.203: v1(7.9,49.51) 7.85,49.46 7.65,49.46 6.32,48.13 R11.2
NetR13_1: length 5.4
  Top Layer w0.254: U3.6 47.75,25.76 47.75,27.03 47.6,27.18 45.78,27.18 R13.1 R14.2
NetR20_2: length 2.7
  Top Layer w0.254: v1(46.74,21.21) 46.52,21.42 U3.12
  Bottom Layer w0.254: R20.2 45.4,22.13 46.28,21.25 46.7,21.25 v1(46.74,21.21)
NetR21_2: length 2.6
  Top Layer w0.254: R21.2 47.75,20.19 47.77,20.22 U3.13
NetR33_1: length 4.2
  Top Layer w0.254: U7.2 10.47,3.88 9.7,3.1 8.9,3.1 8.25,3.75 R33.1
NetR34_2: length 2.1
  Top Layer w0.254: U8.37 v1(25.96,20.95)
  Bottom Layer w0.254: v1(25.96,20.95) R34.2
NetR36_1: length 2.4
  Top Layer w0.254: 38.53,23.16 38.59,23.16 38.87,23.45 U8.94
  Bottom Layer w0.254: R36.1 38.23,23.05 38.37,23.05 38.33,23.01 38.36,22.99 v1(38.49,22.99)
NetR37_1: length 5.3
  Top Layer w0.254: U9.6 47.88,12.81 47.88,13.72 47.43,14.16 R37.1 45.34,15.81
NetR44_2: length 3.7
  Top Layer w0.254: U9.12 46.5,9.04 46.48,9.01 v1(46.48,8.13)
  Bottom Layer w0.254: v1(46.48,8.13) 45.15,8.13 44.88,8.39 44.78,8.39 44.26,8.92 R44.2
NetR45_2: length 3.8
  Top Layer w0.254: R45.2 49.21,5.33 48.53,5.33 47.9,5.97 U9.13
nFAULT: length 26.3
  Top Layer w0.254: v1(41.97,14.33) 41.97,14.38 42.04,14.45 42.04,22.99 42.21,23.16 43.71,23.16 R24.1 44.99,23.49 U3.9 ; U8.62 31.76,13.85 32.77,14.87 v1(32.77,15.13)
  Bottom Layer w0.254: v1(32.77,15.13) 33.77,14.13 41.73,14.13 41.92,14.33 v1(41.97,14.33)
nFAULT_2: length 19.1
  Top Layer w0.254: U8.59 30.26,11.13 31.5,9.89 38.19,9.89 38.51,10.21 43.55,10.21 R47.1 44.64,10.54 U9.9
NRST: length 20
  Top Layer w0.254: SW1.2 44.7,35.81 45.97,37.08 45.97,42.16 45.34,42.8 39.26,42.8 39.11,42.95 U1.7
NTJRST_F103: length 19.3
  Top Layer w0.254: U1.40 31.09,50.65 29.41,48.98 29.41,39.19 27.94,37.72 J2.1
NTRST_F407: length 62.6
  Top Layer w0.254: U1.26 41.11,54.66 41.17,54.72 45.01,54.72 49.37,50.36 49.37,36.12 46.46,33.2 44.17,33.2 ; U8.14 v1(31.76,29.33) ; v1(21.99,32.09) 21.99,30.87 22.22,30.63 22.6,30.63 23.31,31.34 v1(23.34,31.34)
  Bottom Layer w0.254: 31.76,30.14 33.02,30.14 34.45,31.57 39.4,31.57 41.03,33.21 42.44,33.21 42.46,33.22 44.2,33.22 v1(44.21,33.21) ; 31.76,30.14 v1(31.76,29.33) ; 31.76,30.14 30.56,31.34 23.34,31.34 v1(23.34,31.34) ; R35.1 23.02,33.11 C57.2 22.04,32.09 v1(21.99,32.09)
